# Altium PCB 3-as-manufactured.pcbdoc (part 10 of 12) (continued)
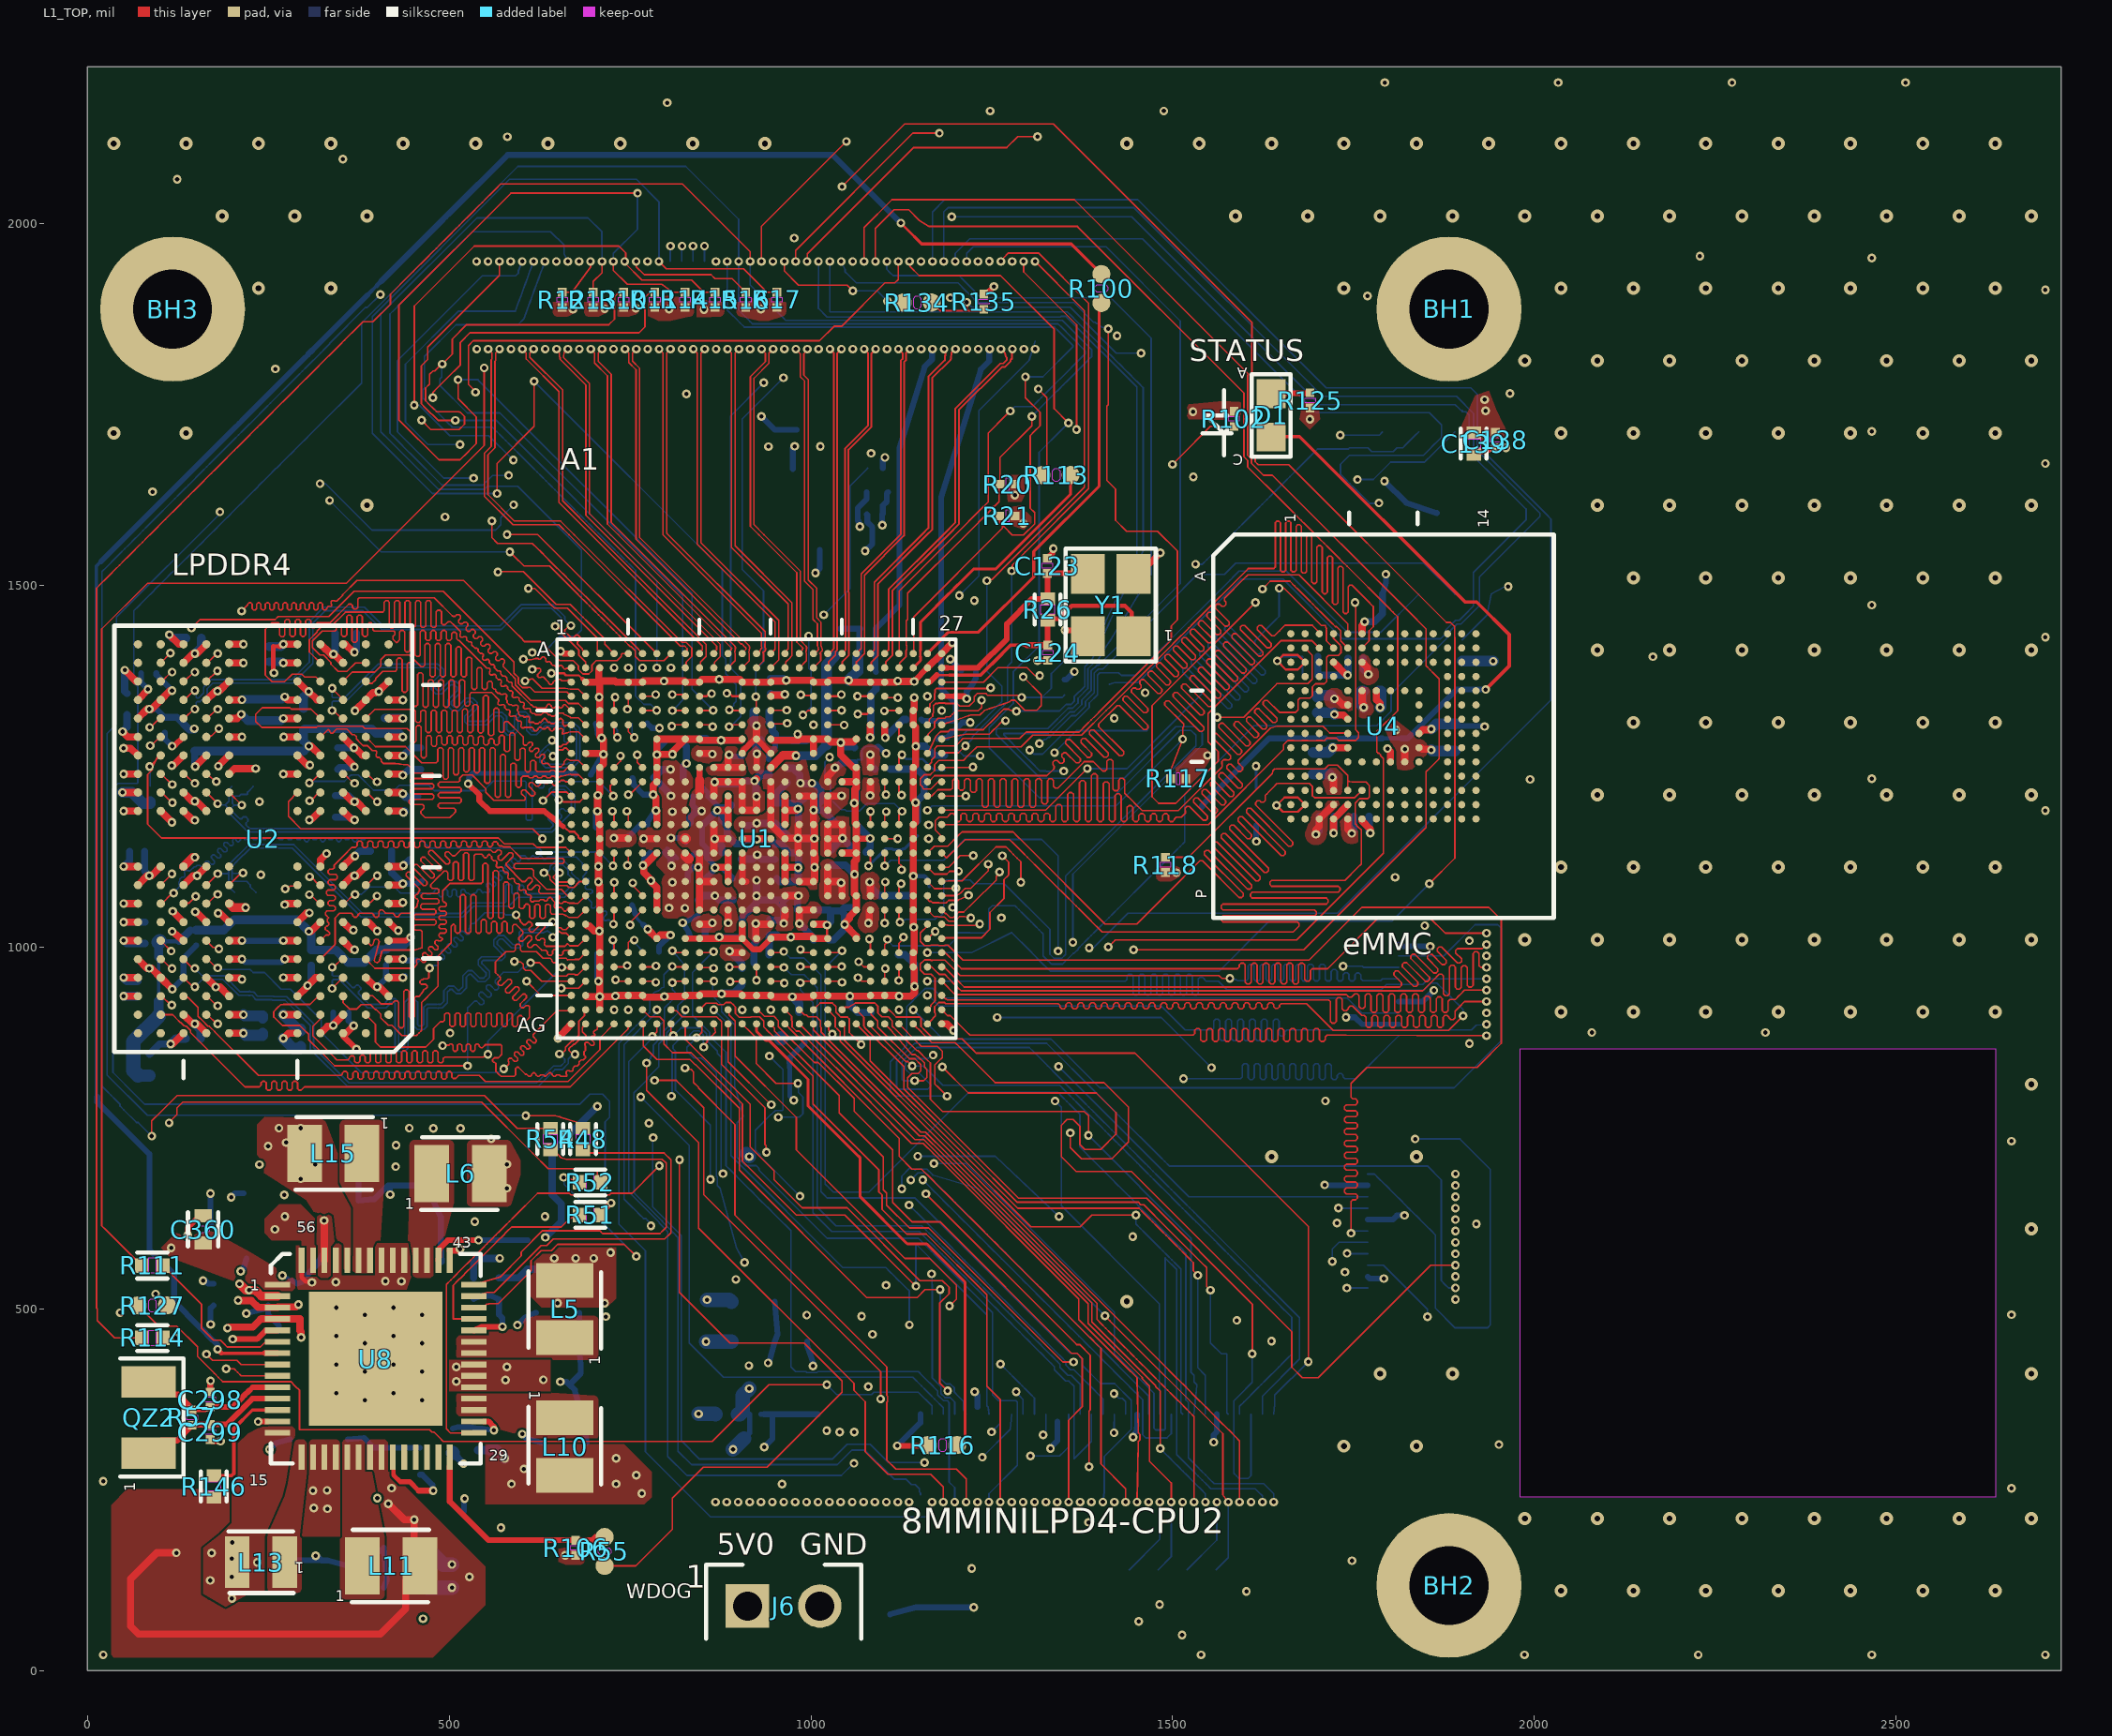
[diagram p0: L1_TOP view]
## Nets (pads, with @x,y where several pads share a name; then routed paths per layer and width w, separated by ;. In a path a pad name is that pad's centre, name@x,y a point inside that pad or via, vN(x,y) a via of type N, cw(c..) or ccw(c..) an arc to the next point about the centre after c; other vN are vias at no path point) (continued)
  L8_BOT w7.38: 907.68,321.21 915.3,328.82 915.3,354.53 911.3,354.53
  L8_BOT w20.06: v1(845,355) 867.59,355 J5.1@868.06,354.53 ; v1(855,455) C402.2@890,455 ; v1(856.62,512.81) 887.19,512.81 C401.2@890,510 ; v1(892.45,305.97) 907.68,321.21 ; J5.5@899.56,354.53 901.62,354.53 905.59,358.5 905.59,380.58 v1(915,389.99)
  other v1: 332,224 313,225 400.86,238.76 312,249 331.48,249.4 510,400 578.08,401.92 630.22,402.23 510,420 580,420 343.55,537.38 411.95,538.53 434.39,538.29 896.36,540.9
WDOG_B: R55.1 U1.AG13 | length 1300.2
  L1_TOP w2.2: R55.1@715,145 758,145 808.63,195.63 808.63,238.63 851.24,281.24 939.24,281.24 1043,385 1043,400.79 990.78,453.01 888.49,453.01 818.5,523 v1(818.5,706.47) ; U1.AG13@905.21,893.99 908.76,890.43 914.04,885.15 919.33,879.87 924.61,874.58 924.61,839.34 951.94,812 v1(982,812)
  L3_INNER1 w2.2: v1(818.5,706.47) 857.12,745.08 934.95,745.08 v1(954.92,765.05)
  L8_BOT w2.2: v1(954.92,765.05) 970.84,765.05 984.25,765.05 988.97,769.76 988.97,792.94 982.76,799.15 982.76,811.24 v1(982,812)
WL_REG_ON: J8.6 U1.R23 | length 1075.2
  L1_TOP w2.2: v1(1102.05,1112.36) U1.R23@1102.05,1130.22
  L3_INNER1 w2.2: v1(1341.5,994.77) 1341.5,835.83 v1(1342.15,835.19)
  L8_BOT w2.2: v1(1102.05,1112.36) 1102.76,1112.36 1110.4,1120 1183.72,1120 1212.82,1149.1 1318.74,1149.1 1341.5,1126.34 v1(1341.5,994.77) ; v1(1342.15,835.19) 1522.22,655.12 J8.6@1769.37,655.12
WL_WAKE_DEV: J8.2 U1.U27 | length 1609.2
  L1_TOP w2.2: U1.U27@1180.8,1090.84 1197.45,1092.05 cw(c1198.13,1082.78) 1198.66,1092.06 1207.06,1091.58 1208.89,1091.58 1209.53,1092.22 1255.92,1138.61 1269.59,1138.61 1274.74,1133.47 1279.88,1128.33 1285.03,1123.18 1290.17,1118.04 v1(1290.17,1089.75)
  L3_INNER1 w2.2: v1(1290.17,1089.75) 1295.85,1084.08 1301.52,1078.41 1656.79,1078.41 1663.15,1072.05 1803.17,932.03 1809.53,925.67 1815.9,919.3 1822.26,912.94 1828.63,906.57 1831.61,903.59 1831.61,738.46 v1(1834.99,735.08)
  L8_BOT w2.2: J8.2@1769.37,686.61 1778.89,686.59 1784.9,680.58 1790.91,674.57 1796.92,668.56 1802.93,662.55 1808.94,656.54 1814.95,650.53 1820.97,644.52 1826.98,638.5 1832.99,632.49 1839,626.48 1845.01,620.47 1851.02,614.46 1857.03,608.45 1863.05,602.44 1863.05,532.11 1863.05,501.34 1890.39,474 1935,474 1938.98,477.98 1938.98,642.35 1938.98,693.02 1896.92,735.08 v1(1834.99,735.08)
WL_WAKE_HOST: J8.4 U1.W26 | length 771.4
  L1_TOP w2: U1.W26@1161.11,1051.48 1170.32,1042.27 1176.08,1042.27 1176.72,1041.64 1184.88,1041.64 1190.4,1036.11 1199.13,1036.11 1205.29,1042.27 1212.58,1042.27 v1(1220.92,1040.41)
  L6_INNER2 w2.2: v1(1220.92,1040.41) 1225,1041.3 1229.5,1042.27 1243.5,1042.27 1614.28,671.5 v1(1710,671.5)
  L8_BOT w8: v1(1710,671.5) 1710.63,670.87 J8.4@1769.37,670.87
XIN_32K: C298.1 QZ2.2 R57.1 U8.10 | length 207.3
  L1_TOP w7.46: 222.95,386.39 228.43,391.87 237.04,391.87 245.64,391.87 254.25,391.87 U8.10@262.86,391.86
  L1_TOP w8.05: QZ2.2@84.98,399.21 102.46,381.73 125.69,381.73 143.02,364.4 143.02,362.49 144.16,361.35 163.31,361.35 164.48,362.51 168.03,362.51 C298.1@170,364.49 175.98,364.49 188.52,364.49 201.05,364.49 206.53,369.97 212,375.44 217.48,380.92 222.95,386.39
XOUT_32K: C299.1 QZ2.1 R57.2 U8.11 | length 209.5
  L1_TOP w8.05: QZ2.1@84.98,300.79 102.46,318.27 124.38,318.27 143.02,336.91 143.02,337.51 146.18,340.67 146.78,340.67 146.78,340.41 146.98,340.22 C299.1@169.71,340.22 ; C299.1@170,340.51 175.98,340.51 192.72,340.51 228.33,376.12 245.35,376.12 U8.11@262.86,376.11
XTALI_24M: C123.1 R26.1 U1.B27 Y1.3 | length 289.5
  L1_TOP w6.88: 1189.19,1386.12 1197.57,1386.12
  L1_TOP w7.46: U1.B27@1180.8,1386.12 1189.19,1386.12
  L1_TOP w8: R26.1@1327.2,1481.34 C123.1@1327.2,1516.21
  L1_TOP w8.05: 1197.57,1386.12 1231.1,1386.12 1270.78,1425.8 1270.78,1446.78 1305.34,1481.34 R26.1@1327.28,1481.34 ; C123.1@1326.68,1516.73 1382.27,1516.73 Y1.3@1382.85,1516.15
XTALI_32K: R100.2 U1.A26 | length 608.7
  L1_TOP w4: U1.A26@1161.11,1405.81 1181.23,1425.94 1181.23,1426.89 1189.44,1435.1 1231.1,1435.1 1307.56,1511.56 1308.01,1511.56 1308.01,1546.87 1398.34,1637.2 1398.34,1867.29 1398.34,1887.15 R100.2@1401.44,1890.25
XTALO_24M: C124.1 R26.2 U1.C26 Y1.1 | length 385
  L1_TOP w3: 1174.01,1376.05 1191.33,1376.05
  L1_TOP w5: 1191.33,1376.05 1234.61,1376.05 1240.54,1381.98 1246.46,1387.9 1252.39,1393.83 1276.1,1417.54 1298.7,1417.54
  L1_TOP w6: R26.2@1327.28,1451.82 1329.55,1454.09 1342.77,1454.09 1360.36,1471.68 1433.98,1471.68 1443.14,1462.52 1443.14,1434 Y1.1@1448.05,1429.09
  L1_TOP w8: C124.1@1327.28,1417.56 R26.2@1327.28,1451.82
  L1_TOP w8.05: U1.C26@1161.11,1366.44 1164.41,1366.45 1174.01,1376.05 ; 1298.7,1417.54 C124.1@1327.3,1417.53
XTALO_32K: R113.2 U1.B25 | length 374.7
  L1_TOP w3: 1151.27,1401.73 1151.27,1409.89
  L1_TOP w4: U1.B25@1141.43,1386.12 1147.19,1391.88 1150.49,1395.18 1151.55,1396.24 1151.55,1401.46 1151.27,1401.73 ; 1151.27,1409.89 1151.55,1410.16 1151.55,1413.92 1151.55,1422.77 1151.55,1431.61 1151.55,1440.46 1151.55,1449.3 1157.67,1455.42 1188.26,1486.02 1194.38,1492.14 1200.5,1498.26 1206.62,1504.38 1212.74,1510.5 1218.86,1516.62 1224.98,1522.74 1231.99,1522.74 1239,1522.74 1246.01,1522.74 1255.49,1522.74 1359,1626.24 R113.2@1359,1652.58
pads on no net: J4. J8.24 U1.AB6 U1.F6 U1.J5 U1.K5 U1.M1 U1.M2 U1.N1 U1.N2 U1.N6 U1.R2 U1.R6 U1.T1 U1.T2 U1.V5 U1.W5 U2.A1 U2.A2 U2.A11 U2.A12 U2.AA1 U2.AA12 U2.AB1 U2.AB2 U2.AB11 U2.AB12 U2.B1 U2.B12 U2.G11 U2.K5 U2.K8 U2.N5 U2.N8 U4.A1 U4.A2 U4.A7 U4.A8 U4.A9 U4.A10 U4.A11 U4.A12 U4.A13 U4.A14 U4.B1 U4.B7 U4.B8 U4.B9 U4.B10 U4.B11 U4.B12 U4.B13 U4.B14 U4.C1 U4.C3 U4.C5 U4.C7 U4.C8 U4.C9 U4.C10 U4.C11 U4.C12 U4.C13 U4.C14 U4.D1 U4.D2 U4.D3 U4.D4 U4.D12 U4.D13 U4.D14 U4.E1 U4.E2 U4.E3 U4.E5 U4.E8 U4.E9 U4.E10 U4.E12 U4.E13 U4.E14 U4.F1 U4.F2 U4.F3 U4.F10 U4.F12 U4.F13 U4.F14 U4.G1 U4.G2 U4.G3 U4.G10 U4.G12 U4.G13 U4.G14 U4.H1 U4.H2 U4.H3 U4.H12 U4.H13 U4.H14 U4.J1 U4.J2 U4.J3 U4.J12 U4.J13 U4.J14 U4.K1 U4.K2 U4.K3 U4.K5 U4.K6 U4.K7 U4.K10 U4.K12 U4.K13 U4.K14 U4.L1 U4.L2 U4.L3 U4.L12 U4.L13 U4.L14 U4.M1 U4.M2 U4.M3 U4.M7 U4.M8 U4.M9 U4.M10 U4.M11 U4.M12 U4.M13 U4.M14 U4.N1 U4.N3 U4.N6 U4.N7 U4.N8 U4.N9 U4.N10 U4.N11 U4.N12 U4.N13 U4.N14 U4.P1 U4.P2 U4.P7 U4.P8 U4.P9 U4.P10 U4.P11 U4.P12 U4.P13 U4.P14 U8.24 U8.25 U8.26 U8.27

## Polygon pours and split planes (outlines as drawn)
NVCC_DRAM_1V1 on L1_TOP "POUR_39" (solid, remove dead copper, pour order 968): 73 vertices, not listed, extent 789.48,1039.2 841.57,1122.21
NVCC_DRAM_1V1 on L1_TOP "POUR_40" (solid, remove dead copper, pour order 982): 76 vertices, not listed, extent 754.19,1097.68 839.02,1260.6
VDD_3V3 on L1_TOP "POUR_182" (solid, remove dead copper, pour order 946): 64 vertices, not listed, extent 1708.74,1323.11 1753.65,1358.14
VDD_1V8 on L1_TOP "POUR_130" (solid, remove dead copper, pour order 947): 65 vertices, not listed, extent 1730.29,1142.67 1762.16,1188.99
VDD_1V8 on L1_TOP "POUR_141" (solid, remove dead copper, pour order 924): 30 vertices, not listed, extent 1477.31,1090.8 1510.76,1116.18
VDD_SOC_0V8 on L1_TOP "VDD_SOC_0V8_L01_P1134" (solid, remove dead copper, pour order 1134): 730.73,589.42 730.73,514.73 718,502 628,502 610.28,519.72 610.28,558.24 641.46,589.42
VDD_DRAM&PU_0V9 on L1_TOP "POUR_226" (solid, remove dead copper, pour order 972): 83 vertices, not listed, extent 814.79,1118.54 897.2,1220.64
VDD_DRAM&PU_0V9 on L1_TOP "POUR_224" (solid, remove dead copper, pour order 970): 78 vertices, not listed, extent 852.45,1177.59 939.59,1243.1
VDD_1V8 on L1_TOP "POUR_127" (solid, remove dead copper, pour order 951): 70 vertices, not listed, extent 1011.63,1177.59 1056.31,1224.07
VDD_SNVS_0V8 on L1_TOP "POUR_245" (solid, remove dead copper, pour order 942): 63 vertices, not listed, extent 1067.28,1195.09 1096.68,1240.32
NVCC_SNVS_1V8 on L1_TOP "POUR_92" (solid, remove dead copper, pour order 941): 49 vertices, not listed, extent 1067.47,1236.64 1096.87,1280.88
VDDA_1V8 on L1_TOP "POUR_101" (solid, remove dead copper, pour order 966): 75 vertices, not listed, extent 893.53,1256.33 956.25,1320.6
VSYS_5V on L1_TOP "VSYS_5V_L01_P1135" (solid, remove dead copper, pour order 1135): 303.48,587.71 288.33,587.71 288.33,526.97 345.95,526.97 345.95,545.58 303.48,545.58 303.48,547.36
NVCC_SD2 on L1_TOP "NVCC_SD2_L01_P971" (solid, remove dead copper, pour order 971): 295,645 265,645 245,625 245,605 255,595 294.99,595 296.33,593.66 296.33,547.36 320.74,547.36 320.74,552.76 320.74,618.98 317.43,622.28
VDDA_1V8 on L1_TOP "POUR_105" (solid, remove dead copper, pour order 958): 25 vertices, not listed, extent 317.13,542.87 342,632.31
VDD_PHY_0V9 on L1_TOP "POUR_239" (solid, remove dead copper, pour order 979): 30 vertices, not listed, extent 101.79,522.9 287.05,606.99
VDD_ARM_0V9 on L1_TOP "POUR_216" (solid, remove dead copper, pour order 977): 32 vertices, not listed, extent 525.03,641.24 598.78,733.62
NVCC_SNVS_1V8 on L1_TOP "POUR_93" (solid, remove dead copper, pour order 928): 25 vertices, not listed, extent 1269.37,1576.75 1308.82,1610.23
VDD_1V8 on L1_TOP "POUR_135" (solid, remove dead copper, pour order 959): 37 vertices, not listed, extent 771.56,1865.36 838.7,1900.56
VDD_SOC_0V8 on L1_TOP "POUR_250" (solid, remove dead copper, pour order 965): 51 vertices, not listed, extent 932.89,1212.34 1000.32,1260
LX2 on L1_TOP "POUR_1" (solid, remove dead copper, pour order 984): 41 vertices, not listed, extent 443.12,542.87 506.91,733.62
VDD_3V3 on L1_TOP "POUR_181" (solid, remove dead copper, pour order 948): 65 vertices, not listed, extent 1011.63,1216.96 1048.69,1261.37
NVCC_ENET on L1_TOP "POUR_81" (solid, remove dead copper, pour order 936): 64 vertices, not listed, extent 1064.71,1018.83 1094.11,1063.16
VSYS_5V on L1_TOP "VSYS_5V_L01_P976" (solid, remove dead copper, pour order 976): 496.28,429.95 640,429.95 640,386.61 496.28,386.61
LX1 on L1_TOP "POUR_0" (solid, remove dead copper, pour order 985): 42 vertices, not listed, extent 510.33,428.41 706.19,490.94
VDD_3V3 on L1_TOP "VDD_3V3_L01_P992" (solid, remove dead copper, pour order 992): 30 vertices, not listed, extent 33,0 550,319.59
VDD_3V3 on L1_TOP "POUR_178" (solid, remove dead copper, pour order 952): 70 vertices, not listed, extent 969.53,1018.06 1015.31,1063.16
VDDA_1V8 on L1_TOP "POUR_102" (solid, remove dead copper, pour order 953): 71 vertices, not listed, extent 909.32,1000.42 956.25,1047.6
VDD_1V8 on L1_TOP "POUR_123" (solid, remove dead copper, pour order 933): 63 vertices, not listed, extent 872.79,979.9 916.89,1009.3
VDD_1V8 on L1_TOP "VDD_1V8_L01_P989" (solid, remove dead copper, pour order 989): 208.07,308.7 200,300.62 200,204.61 184.5,189.12 184.5,135.5 215,105 245.23,105 245.02,185.87 276.17,254.68 283.9,319.24
VDD_DRAM&PU_0V9 on L1_TOP "POUR_225" (solid, remove dead copper, pour order 969): 75 vertices, not listed, extent 829.7,1039.8 897.2,1125.31
VDD_ARM_0V9 on L1_TOP "POUR_215" (solid, remove dead copper, pour order 973): 78 vertices, not listed, extent 893.53,1039.8 956.25,1144.1
VDD_SOC_0V8 on L1_TOP "POUR_252" (solid, remove dead copper, pour order 945): 63 vertices, not listed, extent 893.53,1156.72 939.8,1186.12
VDD_ARM_0V9 on L1_TOP "POUR_213" (solid, remove dead copper, pour order 939): 63 vertices, not listed, extent 952.58,1056.46 997.54,1085.86
VDD_1V8 on L1_TOP "POUR_126" (solid, remove dead copper, pour order 962): 74 vertices, not listed, extent 1011.63,1059.48 1056.33,1122.21
VDD_DRAM&PU_0V9 on L1_TOP "VDD_DRAM&PU_0V9_L01_P991" (solid, remove dead copper, pour order 991): 550,317.21 737.79,317.21 780,275 780,240 770,230 550,230
LX3 on L1_TOP "POUR_2" (solid, remove dead copper, pour order 986): 40 vertices, not listed, extent 510.33,319.06 706.19,390.31
VSYS_5V on L1_TOP "VSYS_5V_L01_P975" (solid, remove dead copper, pour order 975): 343.52,319.59 cw(c343.52,314.01) 349.1,314.01 349.1,185.58 296.56,185.58 306.5,273.31 306.5,313.96 cw(c312.13,313.96) 312.13,319.59
NVCC_DRAM_1V1 on L1_TOP "POUR_41" (solid, remove dead copper, pour order 990): 28 vertices, not listed, extent 235,542.87 370.01,765.56
VDD_1V8 on L1_TOP "POUR_129" (solid, remove dead copper, pour order 938): 63 vertices, not listed, extent 1705.69,1205 1735.09,1249.55
VDD_1V8 on L1_TOP "POUR_131" (solid, remove dead copper, pour order 940): 65 vertices, not listed, extent 1749.97,1362.37 1784.97,1405.52
VDD_1V8 on L1_TOP "POUR_140" (solid, remove dead copper, pour order 954): 31 vertices, not listed, extent 1503.83,1220.31 1554.37,1275.04
VDD_3V3 on L1_TOP "POUR_183" (solid, remove dead copper, pour order 949): 64 vertices, not listed, extent 1749.27,1316.46 1778.67,1366.15
LX4 on L1_TOP "POUR_3" (solid, remove dead copper, pour order 988): 42 vertices, not listed, extent 348.63,98.81 410.94,319.59
LX5 on L1_TOP "POUR_4" (solid, remove dead copper, pour order 980): 41 vertices, not listed, extent 249.18,107.89 307.02,319.59
VDD_1V8 on L1_TOP "POUR_142" (solid, remove dead copper, pour order 974): 27 vertices, not listed, extent 160,88.48 230.82,192.27
VDD_1V8 on L1_TOP "POUR_138" (solid, remove dead copper, pour order 922): 34 vertices, not listed, extent 728.6,1871.44 761.85,1896.82
NVCC_SNVS_1V8 on L1_TOP "POUR_95" (solid, remove dead copper, pour order 955): 24 vertices, not listed, extent 1517.93,1728.09 1597.43,1754.95
NVCC_SD2 on L1_TOP "POUR_84" (solid, remove dead copper, pour order 943): 64 vertices, not listed, extent 1066.53,1059.48 1095.93,1104.79
NVCC_SNVS_1V8 on L1_TOP "POUR_94" (solid, remove dead copper, pour order 927): 23 vertices, not listed, extent 1269.71,1615.63 1295.46,1652.59
NetL15_1 on L1_TOP "POUR_100" (solid, remove dead copper, pour order 987): 39 vertices, not listed, extent 349.06,542.87 410.44,761.19
VDDA_1V8 on L1_TOP "POUR_103" (solid, remove dead copper, pour order 944): 63 vertices, not listed, extent 713.19,1136.2 759.41,1165.6
VDDA_1V8 on L1_TOP "POUR_104" (solid, remove dead copper, pour order 964): 60 vertices, not listed, extent 1011.63,1118.54 1058.26,1181.26
VDD_1V8 on L1_TOP "POUR_124" (solid, remove dead copper, pour order 960): 71 vertices, not listed, extent 854.15,1236.64 916.89,1280.6
VDD_1V8 on L1_TOP "POUR_125" (solid, remove dead copper, pour order 935): 63 vertices, not listed, extent 870.9,1018.92 900.3,1063.16
VDD_1V8 on L1_TOP "POUR_128" (solid, remove dead copper, pour order 957): 70 vertices, not listed, extent 1683.1,1141.32 1733.96,1208.67
VDD_1V8 on L1_TOP "POUR_132" (solid, remove dead copper, pour order 926): 24 vertices, not listed, extent 651.23,146.43 687.69,172.18
VDD_1V8 on L1_TOP "POUR_133" (solid, remove dead copper, pour order 956): 36 vertices, not listed, extent 897.3,1865.46 965.69,1896.82
VDD_1V8 on L1_TOP "POUR_134" (solid, remove dead copper, pour order 929): 24 vertices, not listed, extent 842.26,1871.14 880.27,1896.82
VDD_1V8 on L1_TOP "POUR_136" (solid, remove dead copper, pour order 925): 34 vertices, not listed, extent 686.56,1871.44 721.16,1896.82
VDD_1V8 on L1_TOP "POUR_137" (solid, remove dead copper, pour order 923): 34 vertices, not listed, extent 643.56,1871.44 677.21,1896.82
VDD_1V8 on L1_TOP "POUR_139" (solid, remove dead copper, pour order 967): 31 vertices, not listed, extent 1899.31,1695.07 1960.19,1769.46
VDD_1V8 on L1_TOP "POUR_143" (solid, remove dead copper, pour order 961): 26 vertices, not listed, extent 205.41,297.17 287.05,339.68
VDD_3V3 on L1_TOP "POUR_179" (solid, remove dead copper, pour order 934): 63 vertices, not listed, extent 834.47,1019.02 878.6,1048.42
VDD_3V3 on L1_TOP "POUR_180" (solid, remove dead copper, pour order 932): 63 vertices, not listed, extent 834.47,1252.2 878.59,1281.6
VDD_3V3 on L1_TOP "POUR_184" (solid, remove dead copper, pour order 963): 31 vertices, not listed, extent 1794.04,1244.37 1852.07,1314.24
VDD_3V3 on L1_TOP "POUR_185" (solid, remove dead copper, pour order 930): 23 vertices, not listed, extent 1675.46,1715.59 1704.01,1757.94
VDD_ARM_0V9 on L1_TOP "POUR_214" (solid, remove dead copper, pour order 937): 63 vertices, not listed, extent 947.83,1018.65 977.23,1063.16
VDD_PHY_0V9 on L1_TOP "POUR_238" (solid, remove dead copper, pour order 931): 63 vertices, not listed, extent 908.77,1236.64 938.17,1280.55
VDD_SOC_0V8 on L1_TOP "POUR_251" (solid, remove dead copper, pour order 983): 83 vertices, not listed, extent 932.89,1079.16 1019.84,1220.64
VSYS_5V on L1_TOP "POUR_260" (solid, remove dead copper, pour order 981): 23 vertices, not listed, extent 331.32,526.97 448.58,592.61
VDD_1V8 on L3_INNER1 "VDD_1V8_L03_P996" (solid, remove dead copper, pour order 996): 20 vertices, not listed, extent 160,55 1260,255
VDD_SOC_0V8 on L3_INNER1 "VDD_SOC_0V8_L03_P1131" (solid, remove dead copper, pour order 1131): 718,502 735,519 735,585 555,765 430,765 405,740 405,694.9 597.9,502
VSYS_5V on L3_INNER1 "VSYS_5V_L03_P997" (solid, remove dead copper, pour order 997): 925,165 925,325 925,530 900,555 805,555 805,344.49 260,344.49 260,165
VDD_DRAM&PU_0V9 on L3_INNER1 "POUR_229" (solid, remove dead copper, pour order 995): 555,235 550.16,239.84 550.16,305 743.74,305 785,263.74 785,238.27 781.73,235
NVCC_DRAM_1V1 on L8_BOT "POUR_55" (solid, remove dead copper, pour order 1106): 40 vertices, not listed, extent 326.31,1160.79 470.58,1200.87
NVCC_DRAM_1V1 on L8_BOT "POUR_75" (solid, remove dead copper, pour order 1095): 56 vertices, not listed, extent 766.65,1041.41 823.32,1127.08
NVCC_DRAM_1V1 on L8_BOT "POUR_77" (solid, remove dead copper, pour order 1103): 47 vertices, not listed, extent 735.73,1120.28 839.94,1182.2
VDD_3V3 on L8_BOT "POUR_198" (solid, remove dead copper, pour order 1099): 45 vertices, not listed, extent 1679.09,1316.46 1778.67,1369.29
NVCC_DRAM_1V1 on L8_BOT "POUR_65" (solid, remove dead copper, pour order 1039): 50 vertices, not listed, extent 323.24,875.34 352.75,922.25
VDD_1V8 on L8_BOT "POUR_161" (solid, remove dead copper, pour order 1121): 49 vertices, not listed, extent 137.91,970.62 461.53,1046.39
NVCC_DRAM_1V1 on L8_BOT "POUR_59" (solid, remove dead copper, pour order 1088): 65 vertices, not listed, extent 199.14,992.97 285.59,1024.35
NVCC_DRAM_1V1 on L8_BOT "POUR_58" (solid, remove dead copper, pour order 1046): 52 vertices, not listed, extent 134.14,860.94 169.39,908.69
NVCC_DRAM_1V1 on L8_BOT "POUR_60" (solid, remove dead copper, pour order 1090): 64 vertices, not listed, extent 199.14,1326.97 287.51,1360.7
NVCC_DRAM_1V1 on L8_BOT "POUR_56" (solid, remove dead copper, pour order 1045): 52 vertices, not listed, extent 94.51,1263.15 132.04,1309.47
VDD_1V8 on L8_BOT "POUR_160" (solid, remove dead copper, pour order 1120): 66 vertices, not listed, extent 131.89,1235.1 450.94,1315.92
NVCC_DRAM_1V1 on L8_BOT "NVCC_DRAM_1V1_L08_P1094" (solid, remove dead copper, pour order 1094): 277.39,1407.61 285,1400 285,1380.62 272.1,1367.72 217.28,1367.72 205,1380 205,1400 212.61,1407.61
VDDA_1V8 on L8_BOT "VDDA_1V8_L08_P1139" (solid, remove dead copper, pour order 1139): 908.59,985.12 894.7,971.23 894.7,713 909.57,698.12 915.72,698.12 929.31,711.71 929.31,839.61 966.92,877.22 966.92,956.92 934.43,989.41
VDD_1V8 on L8_BOT "POUR_152" (solid, remove dead copper, pour order 1026): 41 vertices, not listed, extent 1124.1,212.58 1147.46,253.96
NVCC_ENET on L8_BOT "NVCC_ENET_L08_P1109" (solid, remove dead copper, pour order 1109): 1090,1045 1095,1040 1095,1010 1095.62,1010 1108.05,997.57 1108.05,939.46 1093.09,924.5 1073.09,924.5 1055,942.59 1055,1030 1070,1045
NVCC_DRAM_1V1 on L8_BOT "POUR_66" (solid, remove dead copper, pour order 1065): 50 vertices, not listed, extent 329.85,1259.75 383.26,1291.13
VDD_DRAM&PU_0V9 on L8_BOT "POUR_233" (solid, remove dead copper, pour order 1079): 44 vertices, not listed, extent 819.21,1158.5 859.42,1221.3
VDD_SNVS_0V8 on L8_BOT "POUR_248" (solid, remove dead copper, pour order 1087): 51 vertices, not listed, extent 1067.28,1195.09 1148.04,1242.12
VDD_1V8 on L8_BOT "POUR_166" (solid, remove dead copper, pour order 1037): 51 vertices, not listed, extent 1026.91,1194.67 1056.31,1241.46
NVCC_SNVS_1V8 on L8_BOT "POUR_98" (solid, remove dead copper, pour order 1042): 51 vertices, not listed, extent 1067.47,1233.33 1101.12,1280.88
VDD_PHY_1V2 on L8_BOT "POUR_243" (solid, remove dead copper, pour order 1118): 54 vertices, not listed, extent 948.7,1251.91 1050.93,1420.69
VDD_1V8 on L8_BOT "POUR_164" (solid, remove dead copper, pour order 1036): 50 vertices, not listed, extent 872.19,1251.12 917.69,1280.6
VDD_3V3 on L8_BOT "VDD_3V3_L08_P1125" (solid, remove dead copper, pour order 1125): 504.18,287.93 581.82,210.3 581.82,112.82 549,80 445,80 430,95 430,197.67 406.76,220.9 407.39,232.23 391.31,262.3 391.31,282.08 397.16,287.93
VDD_ARM_0V9 on L8_BOT "VDD_ARM_0V9_L08_P1137" (solid, remove dead copper, pour order 1137): 517,727 539,749 580,749 594,735 594,643.82 589.17,638.99 589.17,614.17 585,610 526.23,610 517,619.23 517,632
GND on L8_BOT "GND_L08_P1126" (solid, remove dead copper, pour order 1126): 54 vertices, not listed, extent 147.64,290 748.03,745
VSYS_5V on L8_BOT "POUR_271" (solid, remove dead copper, pour order 1123): 53 vertices, not listed, extent 233.31,519.07 454.3,620.45
VDD_SNVS_0V8 on L8_BOT "POUR_249" (solid, remove dead copper, pour order 1020): 26 vertices, not listed, extent 182.82,522.31 217.22,547.69
NVCC_DRAM_1V1 on L8_BOT "POUR_70" (solid, remove dead copper, pour order 1080): 47 vertices, not listed, extent 422.34,1098.24 479.19,1149.18
VDDA_1V8 on L8_BOT "POUR_111" (solid, remove dead copper, pour order 1058): 51 vertices, not listed, extent 690.31,1131.51 742.59,1165.6
VDD_1V8 on L8_BOT "POUR_176" (solid, remove dead copper, pour order 1052): 27 vertices, not listed, extent 1395.77,1306.26 1429.23,1349.49
NVCC_SD2 on L8_BOT "POUR_88" (solid, remove dead copper, pour order 1107): 56 vertices, not listed, extent 1066.53,1028.82 1184.18,1104.79
NVCC_DRAM_1V1 on L8_BOT "POUR_63" (solid, remove dead copper, pour order 1067): 54 vertices, not listed, extent 256.19,871.47 307.67,921.49
VDD_SOC_0V8 on L8_BOT "VDD_SOC_0V8_L08_P1133" (solid, remove dead copper, pour order 1133): 729.09,519.09 600.91,519.09 590,530 590,565 610,585 735,585 745,575 745,535
VDD_ARM_0V9 on L8_BOT "POUR_223" (solid, remove dead copper, pour order 1057): 25 vertices, not listed, extent 594.62,609.26 642.73,640.64
VDD_ARM_0V9 on L8_BOT "POUR_222" (solid, remove dead copper, pour order 1101): 50 vertices, not listed, extent 512.7,609.07 591.69,681.26
VDD_PHY_1V2 on L8_BOT "VDD_PHY_1V2_L08_P1132" (solid, remove dead copper, pour order 1132): 1004.9,1434.78 1004.9,1378.9 1004.48,1378.48 1005.43,1378.48 1045.63,1418.67 1045.63,1428.02 1022.35,1451.29
VDD_PHY_1V2 on L8_BOT "POUR_244" (solid, remove dead copper, pour order 1116): 39 vertices, not listed, extent 918.91,1427.31 1032.18,1587.05
VDD_SOC_0V8 on L8_BOT "POUR_255" (solid, remove dead copper, pour order 1122): 53 vertices, not listed, extent 892.57,1078.09 1048.36,1261.04
VDDA_1V8 on L8_BOT "POUR_110" (solid, remove dead copper, pour order 1074): 52 vertices, not listed, extent 908.59,976.72 938.72,1047.6
VDD_DRAM&PU_0V9 on L8_BOT "POUR_231" (solid, remove dead copper, pour order 1086): 42 vertices, not listed, extent 831.93,1049.48 909.23,1085.86
VSYS_5V on L8_BOT "POUR_267" (solid, remove dead copper, pour order 1092): 47 vertices, not listed, extent 857.37,333.84 926,375.22
VSYS_5V on L8_BOT "POUR_268" (solid, remove dead copper, pour order 1114): 38 vertices, not listed, extent 865.7,411.68 924.4,555.08
VDDA_1V8 on L8_BOT "POUR_109" (solid, remove dead copper, pour order 1040): 51 vertices, not listed, extent 908.69,1291.2 939.59,1338.59
VDD_3V3 on L8_BOT "POUR_194" (solid, remove dead copper, pour order 1064): 53 vertices, not listed, extent 969.53,997.37 1016.47,1047.46
NVCC_SNVS_1V8 on L8_BOT "POUR_99" (solid, remove dead copper, pour order 1034): 26 vertices, not listed, extent 182.82,492.31 220.18,528.11
NVCC_DRAM_1V1 on L8_BOT "NVCC_DRAM_1V1_L08_P1117" (solid, remove dead copper, pour order 1117): 330,690 297.7,657.7 282.18,657.7 282.18,667.73 235,714.91 235,749.63 253.06,767.69 327.37,767.69 330,765.06 330,730
VDD_DRAM&PU_0V9 on L8_BOT "VDD_DRAM&PU_0V9_L08_P1124" (solid, remove dead copper, pour order 1124): 589.37,315.63 610,295 710,295 748.03,314.96 752.99,295 785,262.99 785,238.93 771.4,225.34 565,225.34 565,315.63
NVCC_DRAM_1V1 on L8_BOT "POUR_73" (solid, remove dead copper, pour order 1055): 52 vertices, not listed, extent 61.69,1341.73 98.74,1391.59
NVCC_DRAM_1V1 on L8_BOT "POUR_67" (solid, remove dead copper, pour order 1066): 50 vertices, not listed, extent 355.13,1111.38 406.82,1149.59
NVCC_DRAM_1V1 on L8_BOT "POUR_69" (solid, remove dead copper, pour order 1041): 39 vertices, not listed, extent 421.54,943.27 470,974.45
NVCC_ENET on L8_BOT "POUR_82" (solid, remove dead copper, pour order 1072): 22 vertices, not listed, extent 1791.54,1008.75 1862.53,1044.03
NVCC_SD2 on L8_BOT "POUR_90" (solid, remove dead copper, pour order 1021): 23 vertices, not listed, extent 1250.24,1027.71 1290.19,1054.19
VDD_3V3 on L8_BOT "POUR_197" (solid, remove dead copper, pour order 1062): 51 vertices, not listed, extent 1019.29,1231.97 1072.92,1267.69
VDD_1V8 on L8_BOT "POUR_173" (solid, remove dead copper, pour order 1083): 35 vertices, not listed, extent 1921.31,1685.51 1958.69,1747.31
VDD_1V8 on L8_BOT "POUR_163" (solid, remove dead copper, pour order 1073): 51 vertices, not listed, extent 35.71,989.55 96.69,1023.85
VDD_1V8 on L8_BOT "POUR_162" (solid, remove dead copper, pour order 1068): 50 vertices, not listed, extent 34.02,1283.29 71.58,1336.83
NVCC_DRAM_1V1 on L8_BOT "POUR_72" (solid, remove dead copper, pour order 1038): 51 vertices, not listed, extent 35.71,940.72 81.58,972.67
NVCC_DRAM_1V1 on L8_BOT "POUR_71" (solid, remove dead copper, pour order 1048): 52 vertices, not listed, extent 35.71,1096.81 71.14,1144.95
NVCC_SD2 on L8_BOT "POUR_89" (solid, remove dead copper, pour order 1019): 32 vertices, not listed, extent 1186.8,1028.42 1212.18,1062.16
NVCC_DRAM_1V1 on L8_BOT "POUR_57" (solid, remove dead copper, pour order 1061): 36 vertices, not listed, extent 134.14,1391.11 170.22,1442.91
NVCC_DRAM_1V1 on L8_BOT "POUR_61" (solid, remove dead copper, pour order 1059): 51 vertices, not listed, extent 201.07,889.55 255.31,921.49
NVCC_DRAM_1V1 on L8_BOT "POUR_64" (solid, remove dead copper, pour order 1069): 48 vertices, not listed, extent 323.08,1395.21 358.16,1450.74
NVCC_DRAM_1V1 on L8_BOT "POUR_74" (solid, remove dead copper, pour order 1085): 42 vertices, not listed, extent 806.71,1220.92 842.59,1297.59
NVCC_DRAM_1V1 on L8_BOT "POUR_76" (solid, remove dead copper, pour order 1091): 62 vertices, not listed, extent 767.32,1194.44 821.48,1260.6
NVCC_SD2 on L8_BOT "POUR_91" (solid, remove dead copper, pour order 1096): 36 vertices, not listed, extent 209.65,584.74 283.27,643.26
VDDA_1V8 on L8_BOT "POUR_112" (solid, remove dead copper, pour order 1076): 49 vertices, not listed, extent 1016.2,1118.76 1067.72,1165.35
VDDA_1V8 on L8_BOT "POUR_113" (solid, remove dead copper, pour order 1078): 37 vertices, not listed, extent 944.78,857.17 976.92,923.79
VDDA_1V8 on L8_BOT "POUR_114" (solid, remove dead copper, pour order 1063): 26 vertices, not listed, extent 238.01,641.31 282.18,678.69
VDD_1V8 on L8_BOT "POUR_153" (solid, remove dead copper, pour order 1027): 41 vertices, not listed, extent 1108.35,212.58 1131.71,253.96
VDD_1V8 on L8_BOT "POUR_154" (solid, remove dead copper, pour order 1028): 41 vertices, not listed, extent 1092.6,212.58 1115.96,253.96
VDD_1V8 on L8_BOT "POUR_155" (solid, remove dead copper, pour order 1025): 41 vertices, not listed, extent 1076.86,212.58 1100.22,253.96
VDD_1V8 on L8_BOT "POUR_156" (solid, remove dead copper, pour order 1022): 41 vertices, not listed, extent 1061.11,212.58 1084.47,253.96
VDD_1V8 on L8_BOT "POUR_157" (solid, remove dead copper, pour order 1024): 41 vertices, not listed, extent 1045.36,212.58 1068.72,253.96
VDD_1V8 on L8_BOT "POUR_158" (solid, remove dead copper, pour order 1023): 41 vertices, not listed, extent 1029.61,212.58 1052.97,253.96
VDD_1V8 on L8_BOT "POUR_159" (solid, remove dead copper, pour order 1029): 41 vertices, not listed, extent 1013.86,212.58 1037.22,253.96
VDD_1V8 on L8_BOT "POUR_165" (solid, remove dead copper, pour order 1081): 49 vertices, not listed, extent 1014.46,1058.55 1073.46,1103.82